# Altium PCB GN-1846-E-V2.PcbDoc (part 5 of 8)
Units mil, origin at the board's own origin, x right, y up, seen from the top; angles counter-clockwise.
Board outline 3750.16 x 2671.81 mil, 4 copper layers (TOP, GND, POWER, BOTTOM), stack 40.359 mil thick; 456 components, 457 nets, 2346 pads, 1495 vias.
Unrouted connection lines stored in the file: 4.
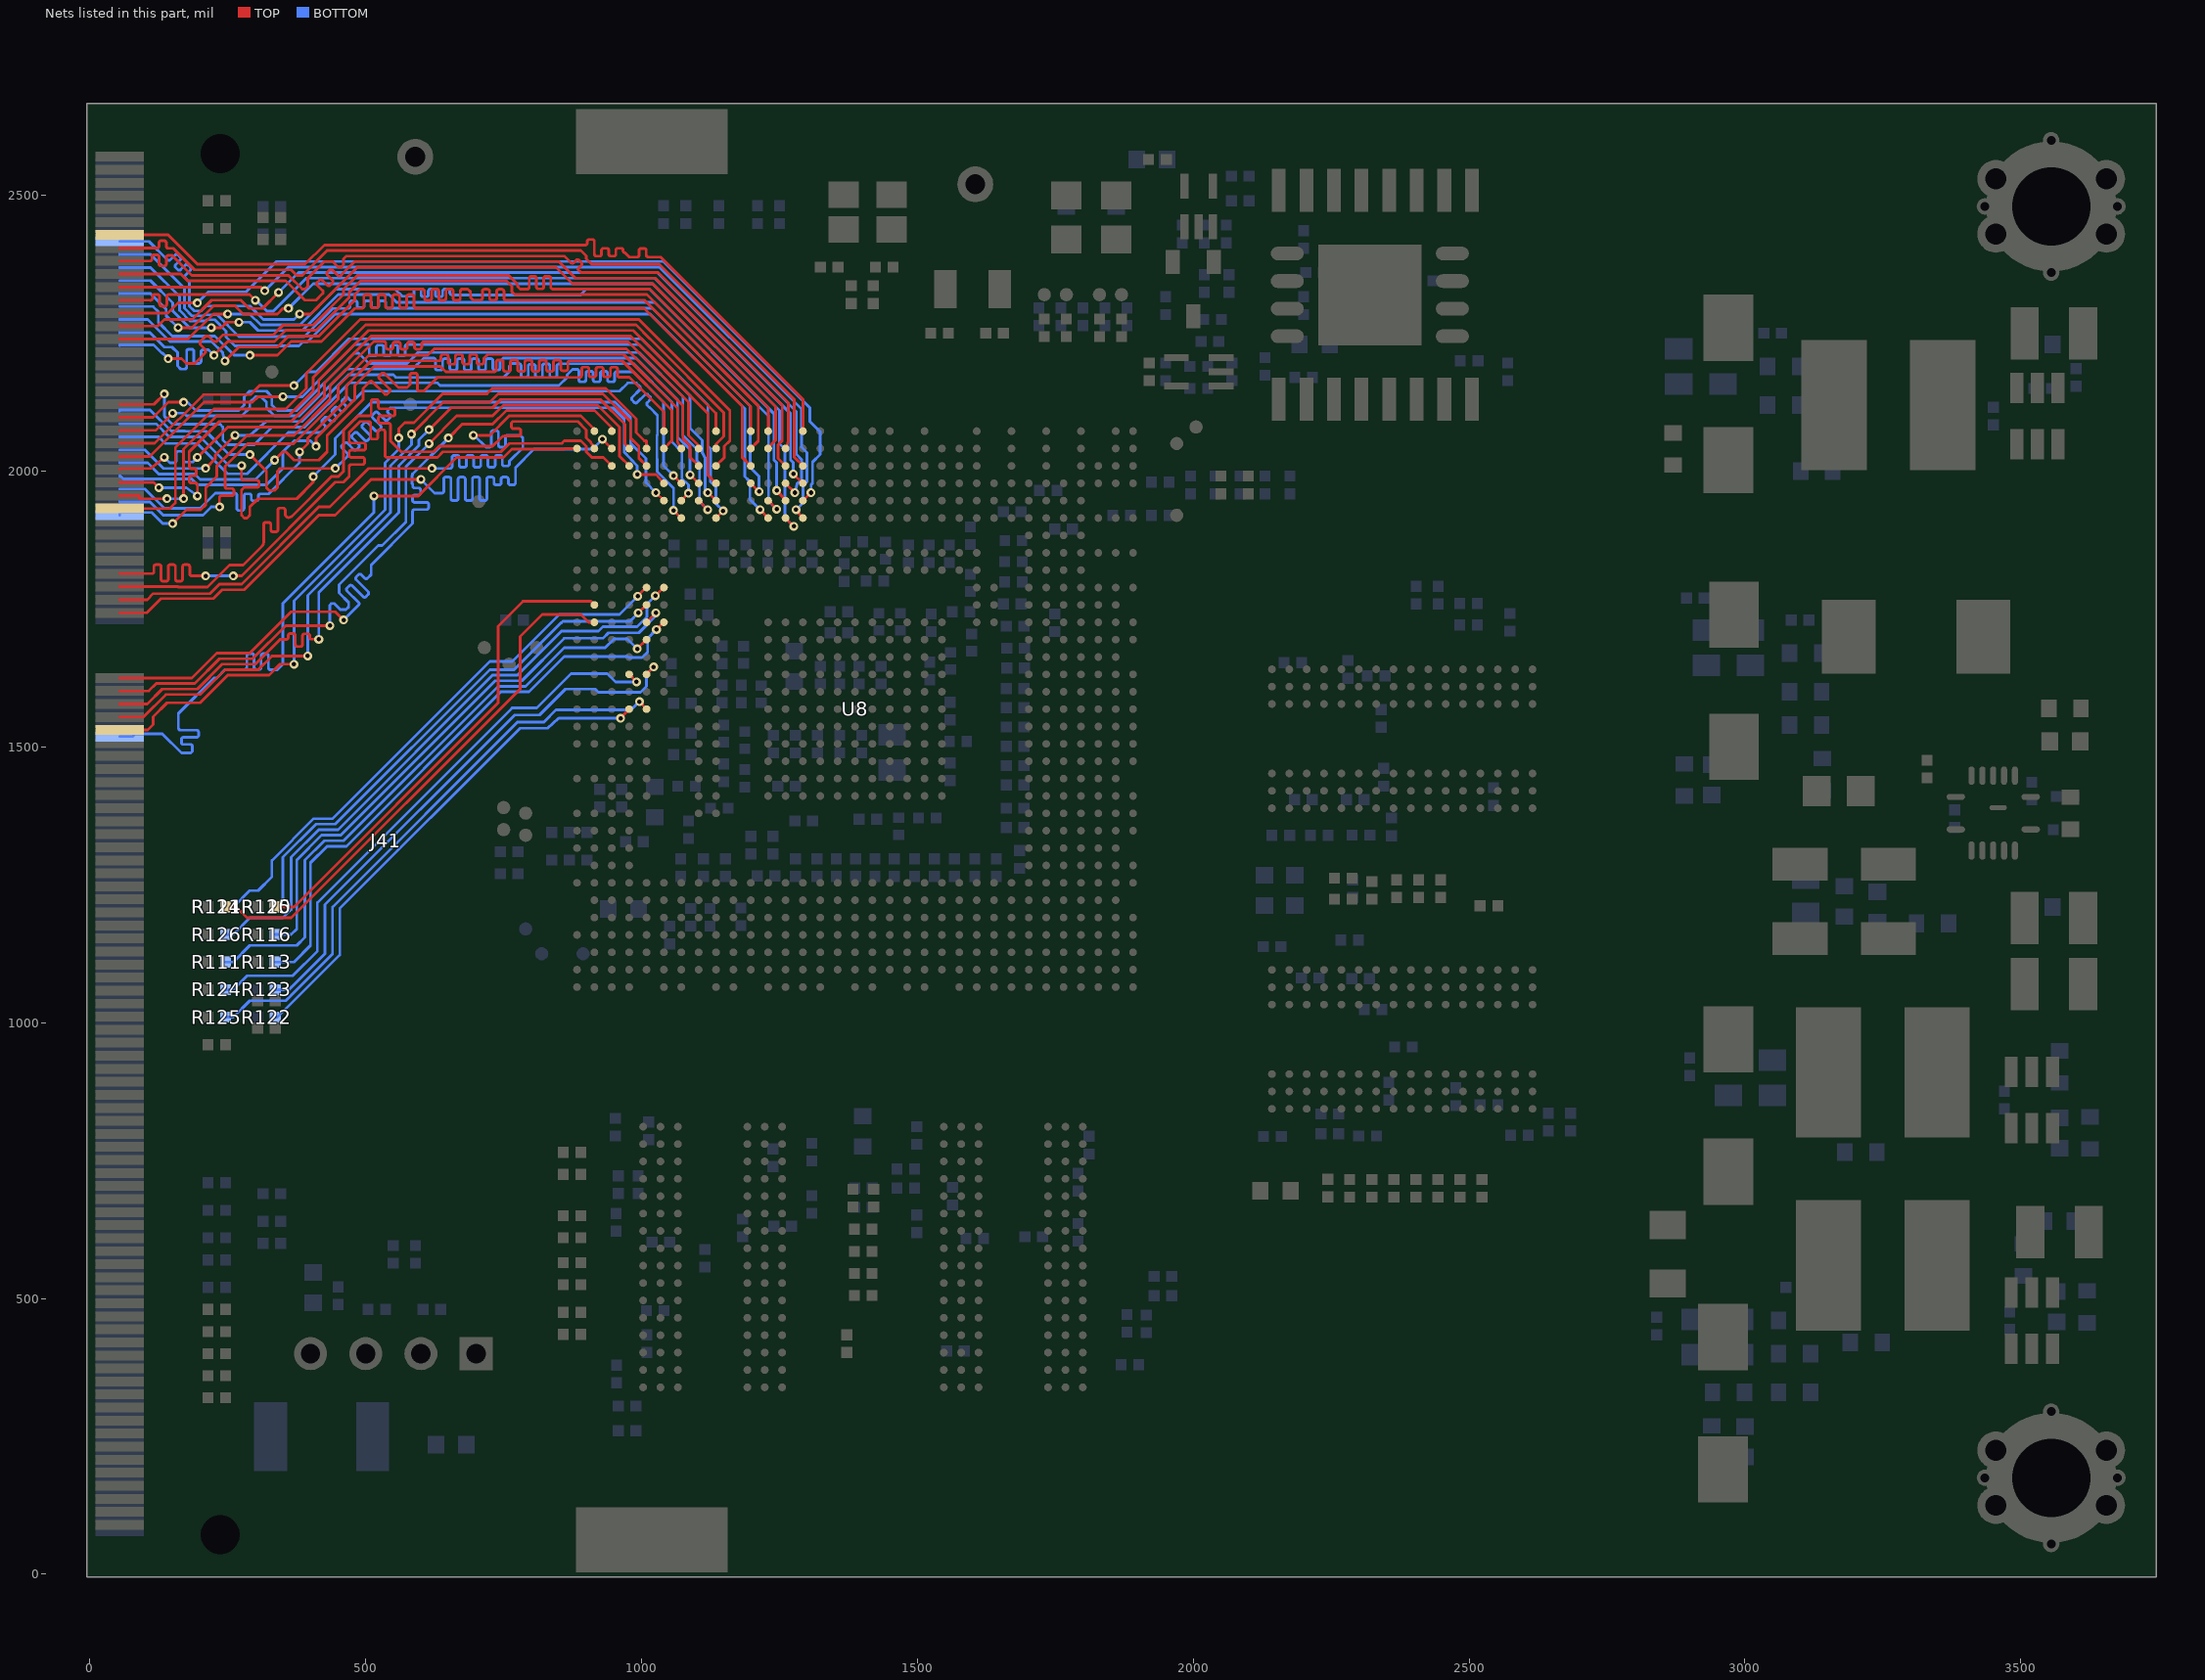
[diagram p7: the nets of this part, all layers, seen from the top]

## Via types
v1: diameter 18, hole 8, TOP to BOTTOM, 763 vias
v2: diameter 20, hole 10, TOP to BOTTOM, 451 vias
v3: diameter 16, hole 8, TOP to BOTTOM, 281 vias

## Nets (pads, with @x,y where several pads share a name; then routed paths per layer and width w, separated by ;. In a path a pad name is that pad's centre, name@x,y a point inside that pad or via, vN(x,y) a via of type N, cw(c..) or ccw(c..) an arc to the next point about the centre after c; other vN are vias at no path point) (continued)
G1_A1_656_CLK: J41.82 U8.A32 | length 1401.7
  TOP w5: v3(515,1955) 595,1955 665,2025 750,2025 765,2040 860,2040 860.99,2040.99 U8.A32@883.01,2040.99
  BOTTOM w5: J41.82@54,1518.82 77.22,1518.82 82.22,1523.82 131.18,1523.82 166,1489 183,1489 186,1492 186,1500.75 ccw(c182.25,1500.75) 182.25,1504.5 169.75,1504.5 cw(c169.75,1508.25) 166,1508.25 166,1513.75 cw(c169.75,1513.75) 169.75,1517.5 193.29,1517.5 ccw(c193.29,1521.25) 197.04,1521.25 197.04,1526.75 ccw(c193.29,1526.75) 193.29,1530.5 164.23,1530.5 cw(c164.23,1534.25) 160.48,1534.25 160.48,1560.48 225,1625 230,1625 245.51,1640.51 280.75,1640.51 ccw(c280.75,1644.26) 284.5,1644.26 284.5,1665.28 cw(c288.25,1665.28) 288.25,1669.03 293.75,1669.03 cw(c293.75,1665.28) 297.5,1665.28 297.5,1644.26 ccw(c301.25,1644.26) 301.25,1640.51 306.75,1640.51 ccw(c306.75,1644.26) 310.5,1644.26 310.5,1665.28 cw(c314.25,1665.28) 314.25,1669.03 319.75,1669.03 cw(c319.75,1665.28) 323.5,1665.28 323.5,1643.75 ccw(c327.25,1643.75) 327.25,1640 340,1640 350,1650 350,1760 515,1925 v3(515,1955)
G1_A1_I2C_CLK: R122.1 U8.D17 | length 921.9
  TOP w5: v3(962,1552) U8.D17@977.5,1568.55
  BOTTOM w5: R122.1@336,1010 340,1010 453,1123 453,1207 780,1534 830,1534 849.45,1551.5 849.94,1552 v3(962,1552)
G1_A1_I2C_SDA: R125.1 U8.E17 | length 1055.6
  TOP w5: v3(996,1582) 1009,1569 U8.E17@1009,1568.55
  BOTTOM w5: R125.1@246,1010 260,1010 290,1040 355,1040 440,1125 440,1210 775,1545 823,1545 845,1567 981,1567 v3(996,1582)
G1_A2_656_0: U8.C31 | length 1421.3
  TOP w5: 54,1814.09 112.34,1814.09 ccw(c112.34,1817.84) 116.09,1817.84 116.09,1826.72 cw(c119.84,1826.72) 119.84,1830.47 125.34,1830.47 cw(c125.34,1826.72) 129.09,1826.72 129.09,1804.22 ccw(c132.84,1804.22) 132.84,1800.47 138.34,1800.47 ccw(c138.34,1804.22) 142.09,1804.22 142.09,1826.72 cw(c145.84,1826.72) 145.84,1830.47 151.34,1830.47 cw(c151.34,1826.72) 155.09,1826.72 155.09,1804.22 ccw(c158.84,1804.22) 158.84,1800.47 164.34,1800.47 ccw(c164.34,1804.22) 168.09,1804.22 168.09,1826.72 cw(c171.84,1826.72) 171.84,1830.47 177.34,1830.47 cw(c177.34,1826.72) 181.09,1826.72 181.09,1813.75 ccw(c184.84,1813.75) 184.84,1810 v3(210,1810) ; v3(260,1810) 275,1810 445,1980 460,1980 470,1990 470,2008.25 cw(c473.75,2008.25) 473.75,2012 494.11,2012 ccw(c494.11,2015.75) 497.86,2015.75 497.86,2021.25 ccw(c494.11,2021.25) 494.11,2025 473.75,2025 cw(c473.75,2028.75) 470,2028.75 470,2034.25 cw(c473.75,2034.25) 473.75,2038 496.06,2038 ccw(c496.06,2041.75) 499.81,2041.75 499.81,2047.25 ccw(c496.06,2047.25) 496.06,2051 473.75,2051 cw(c473.75,2054.75) 470,2054.75 470,2070 490,2090 505.25,2090 cw(c505.25,2086.25) 509,2086.25 509,2061.75 ccw(c512.75,2061.75) 512.75,2058 518.25,2058 ccw(c518.25,2061.75) 522,2061.75 522,2071.25 cw(c525.75,2071.25) 525.75,2075 531.25,2075 cw(c531.25,2071.25) 535,2071.25 535,2028.75 ccw(c538.75,2028.75) 538.75,2025 630,2025 640,2035 745,2035 760,2050 855,2050 860,2055 890,2055 900,2045 900,2035 910,2025 930.5,2025 U8.C31@946.01,2009.49
  BOTTOM w5: v3(210,1810) v3(260,1810)
G1_A2_656_1: U8.B32 | length 1372.4
  TOP w5: 54,1790.47 159.53,1790.47 160,1790 213.18,1790 253.18,1830 278.18,1830 312.35,1864.17 ccw(c305.95,1870.57) 315,1870.57 315,1903.39 cw(c318.75,1903.39) 318.75,1907.14 324.25,1907.14 cw(c324.25,1903.39) 328,1903.39 328,1893.89 ccw(c331.75,1893.89) 331.75,1890.14 337.25,1890.14 ccw(c337.25,1893.89) 341,1893.89 341,1929.39 cw(c344.75,1929.39) 344.75,1933.14 350.25,1933.14 cw(c350.25,1929.39) 354,1929.39 354,1922.37 ccw(c360.4,1922.37) 360.4,1915.97 ccw(c360.4,1925.02) 366.8,1918.62 438.18,1990 450.51,1990 460,1999.49 460,2074.14 485.86,2100 506.25,2100 ccw(c506.25,2103.75) 510,2103.75 510,2126.25 cw(c513.75,2126.25) 513.75,2130 519.25,2130 cw(c519.25,2126.25) 523,2126.25 523,2116.75 ccw(c526.75,2116.75) 526.75,2113 549.25,2113 cw(c549.25,2109.25) 553,2109.25 553,2103.75 cw(c549.25,2103.75) 549.25,2100 526.75,2100 ccw(c526.75,2096.25) 523,2096.25 523,2090.75 ccw(c526.75,2090.75) 526.75,2087 541.25,2087 cw(c541.25,2083.25) 545,2083.25 545,2054.49 564.49,2035 623.18,2035 633.18,2045 730,2045 746.35,2061.35 cw(c752.75,2054.95) 752.75,2064 777.39,2064 ccw(c777.39,2067.75) 781.14,2067.75 781.14,2073.25 ccw(c777.39,2073.25) 777.39,2077 767.89,2077 cw(c767.89,2080.75) 764.14,2080.75 764.14,2086.25 cw(c767.89,2086.25) 767.89,2090 884.59,2090 900,2074.59 900,2060.33 907.49,2052.84 915.21,2041.47 U8.B32@914.51,2040.99
G1_A2_656_2: U8.B33 | length 1430.3
  TOP w5: 54,1766.85 104,1766.85 104,1767 115,1778 218,1778 235,1795 275,1795 415,1935 435,1935 505,2005 v3(620,2005) ; v3(695,2065) 725,2065 760,2100 890,2100 914.67,2075.33 914.67,2072.65 U8.B33@914.51,2072.49
  BOTTOM w5: v3(620,2005) 652.75,2005 ccw(c652.75,2008.75) 656.5,2008.75 656.5,2024.81 cw(c660.25,2024.81) 660.25,2028.56 665.75,2028.56 cw(c665.75,2024.81) 669.5,2024.81 669.5,2010.84 ccw(c673.25,2010.84) 673.25,2007.09 678.75,2007.09 ccw(c678.75,2010.84) 682.5,2010.84 682.5,2024.81 cw(c686.25,2024.81) 686.25,2028.56 691.75,2028.56 cw(c691.75,2024.81) 695.5,2024.81 695.5,2010.84 ccw(c699.25,2010.84) 699.25,2007.09 704.75,2007.09 ccw(c704.75,2010.84) 708.5,2010.84 708.5,2024.81 cw(c712.25,2024.81) 712.25,2028.56 717.75,2028.56 cw(c717.75,2024.81) 721.5,2024.81 721.5,2010.84 ccw(c725.25,2010.84) 725.25,2007.09 730.75,2007.09 ccw(c730.75,2010.84) 734.5,2010.84 734.5,2024.81 cw(c738.25,2024.81) 738.25,2028.56 743.75,2028.56 cw(c743.75,2024.81) 747.5,2024.81 747.5,2013.2 ccw(c751.25,2013.2) 751.25,2009.45 756.75,2009.45 ccw(c756.75,2013.2) 760.5,2013.2 760.5,2018.27 785,2042.77 785,2060 780,2065 757.25,2065 ccw(c757.25,2061.25) 753.5,2061.25 753.5,2047.24 cw(c749.75,2047.24) 749.75,2043.49 744.25,2043.49 cw(c744.25,2047.24) 740.5,2047.24 740.5,2069.77 ccw(c736.75,2069.77) 736.75,2073.52 731.25,2073.52 ccw(c731.25,2069.77) 727.5,2069.77 727.5,2047.24 cw(c723.75,2047.24) 723.75,2043.49 718.25,2043.49 696.74,2065 v3(695,2065)
G1_A2_656_3: U8.C32 | length 1355.9
  TOP w5: 54,1743.23 103,1743.23 128.77,1769 224,1769 240,1785 280,1785 415,1920 445,1920 510,1985 v3(600,1985) ; v3(929,2058) 930,2058 930,2057 U8.C32@946.01,2040.99
  BOTTOM w5: v3(600,1985) 625,1960 637.75,1960 ccw(c637.75,1963.75) 641.5,1963.75 641.5,1985.43 cw(c645.25,1985.43) 645.25,1989.18 650.75,1989.18 cw(c650.75,1985.43) 654.5,1985.43 654.5,1950.34 ccw(c658.25,1950.34) 658.25,1946.59 663.75,1946.59 ccw(c663.75,1950.34) 667.5,1950.34 667.5,1985.43 cw(c671.25,1985.43) 671.25,1989.18 676.75,1989.18 cw(c676.75,1985.43) 680.5,1985.43 680.5,1950.34 ccw(c684.25,1950.34) 684.25,1946.59 689.75,1946.59 ccw(c689.75,1950.34) 693.5,1950.34 693.5,1985.43 cw(c697.25,1985.43) 697.25,1989.18 702.75,1989.18 cw(c702.75,1985.43) 706.5,1985.43 706.5,1950.34 ccw(c710.25,1950.34) 710.25,1946.59 715.75,1946.59 ccw(c715.75,1950.34) 719.5,1950.34 719.5,1985.43 cw(c723.25,1985.43) 723.25,1989.18 728.75,1989.18 cw(c728.75,1985.43) 732.5,1985.43 732.5,1978.86 ccw(c736.25,1978.86) 736.25,1975.11 741.75,1975.11 ccw(c741.75,1978.86) 745.5,1978.86 745.5,1985.43 cw(c749.25,1985.43) 749.25,1989.18 754.75,1989.18 cw(c754.75,1985.43) 758.5,1985.43 758.5,1978.86 ccw(c762.25,1978.86) 762.25,1975.11 767.75,1975.11 ccw(c767.75,1978.86) 771.5,1978.86 771.5,2006.5 805,2040 911,2040 v3(929,2058)
G1_A2_656_4: U8.C33 | length 1384.7
  TOP w5: 54,1625.12 185.12,1625.12 230,1670 290,1670 365,1745 445,1745 v3(460,1730) ; v3(650,2060) 675,2085 730,2085 755,2110 915,2110 946.01,2078.99 U8.C33@946.01,2072.49
  BOTTOM w5: v3(460,1730) 486.94,1756.94 ccw(c484.29,1759.6) 488.04,1759.6 ccw(c484.29,1759.6) 486.94,1762.25 466.31,1782.88 cw(c468.96,1785.53) 465.21,1785.53 cw(c468.96,1785.53) 466.31,1788.18 470.2,1792.07 cw(c472.85,1789.42) 475.51,1792.07 495.14,1772.44 ccw(c497.79,1775.09) 500.44,1772.44 504.33,1776.33 ccw(c501.68,1778.98) 505.43,1778.98 ccw(c501.68,1778.98) 504.33,1781.63 483.01,1802.95 cw(c485.66,1805.61) 481.91,1805.61 cw(c485.66,1805.61) 483.01,1808.26 486.9,1812.15 cw(c489.55,1809.5) 492.2,1812.15 498.26,1806.08 ccw(c500.92,1808.73) 503.57,1806.08 510,1812.51 510,1830 585,1905 585,1926.75 cw(c588.75,1926.75) 588.75,1930.5 610.17,1930.5 ccw(c610.17,1934.25) 613.92,1934.25 613.92,1939.75 ccw(c610.17,1939.75) 610.17,1943.5 588.62,1943.5 cw(c588.62,1947.25) 584.87,1947.25 584.87,1952.75 cw(c588.62,1952.75) 588.62,1956.5 595.71,1956.5 ccw(c595.71,1960.25) 599.46,1960.25 599.46,1965.75 ccw(c595.71,1965.75) 595.71,1969.5 588.9,1969.5 cw(c588.9,1973.25) 585.15,1973.25 585.15,1976 584.15,1977 584.15,1992.15 585,1993 585,1995 v3(650,2060)
G1_A2_656_5: U8.D31 | length 1352.1
  TOP w5: 54,1601.5 107,1601.5 120.5,1615 190,1615 235,1660 295,1660 355,1720 v3(435,1720) ; v3(615,2050) 665,2100 730,2100 750,2120 920,2120 960,2080 960,2026.99 U8.D31@977.5,2009.49
  BOTTOM w5: v3(435,1720) 435,1757 438,1760 443,1760 454,1749 464,1749 469,1754 469,1762 452,1779 452,1794 523,1865 530,1865 573,1908 573,1927.77 572.77,1928 572.77,2007.77 v3(615,2050)
G1_A2_656_6: U8.D32 | length 1370.9
  TOP w5: 54,1577.87 104,1577.87 131.13,1605 195,1605 240,1650 300,1650 345,1695 355.75,1695 ccw(c355.75,1698.75) 359.5,1698.75 359.5,1701.8 cw(c363.25,1701.8) 363.25,1705.55 368.75,1705.55 cw(c368.75,1701.8) 372.5,1701.8 372.5,1685.77 ccw(c376.25,1685.77) 376.25,1682.02 381.75,1682.02 ccw(c381.75,1685.77) 385.5,1685.77 385.5,1701.37 cw(c389.25,1701.37) 389.25,1705.12 394.75,1705.12 cw(c394.75,1701.37) 398.5,1701.37 398.5,1698.95 ccw(c402.25,1698.95) 402.25,1695.2 414.8,1695.2 v3(415,1695) ; v3(615,2075) 655,2115 730,2115 745,2130 925,2130 970,2085 970,2049.83 978.25,2041.59 U8.D32@977.5,2040.99
  BOTTOM w5: v3(415,1695) 415,1780 560,1925 560,2010 596.5,2046.5 596.5,2056.5 v3(615,2075)
G1_A2_656_7: U8.E31 | length 1407.2
  TOP w5: 54,1554.25 97,1554.25 137.75,1595 200,1595 245,1640 305,1640 330,1665 v3(395,1665) ; v3(583,2067) 641,2125 725,2125 740,2140 930,2140 980,2090 980,2060 995,2045 995,2023.49 U8.E31@1009,2009.49
  BOTTOM w5: v3(395,1665) 395,1775 545,1925 545,2010 583,2048 v3(583,2067)
G1_A2_656_CLK: J41.81 U8.E32 | length 1426.8
  TOP w5: J41.81@54,1530.63 105,1530.63 115,1540.63 115,1555 140,1580 200,1580 250,1630 325,1630 345,1650 v3(370,1650) ; v3(560,2060) 560,2077 570.75,2087.75 587.25,2087.75 639.49,2140 720,2140 730,2150 935,2150 990,2095 990,2070 1005,2055 1009,2055 U8.E32@1009,2040.99
  BOTTOM w5: v3(370,1650) 370,1765 535,1930 535,2015 560,2040 v3(560,2060)
G1_A2_I2C_CLK: R121.1 U8.B22 | length 966
  TOP w5: R121.1@246,1210 265,1210 285,1190 365,1190 780,1605 780,1700 820,1740 890,1740 903.97,1726.03 U8.B22@914.51,1726.03
G1_A2_I2C_SDA: R120.1 U8.B23 | length 892.1
  TOP w5: R120.1@336,1210 370,1210 740,1580 740,1719 785,1764 908.04,1764 U8.B23@914.51,1757.53
G2_A1_656_0: U8.F30 | length 1437.6
  TOP w5: v3(290,2030) 320,2000 320,1970 325,1965 335,1965 340,1970 340,2000 345,2005 v3(445,2005) ; v3(992,1994) 1026.49,1994 U8.F30@1040.49,1978
  BOTTOM w5: 54,2109.37 54,2111.01 108.99,2111.01 147.32,2072.68 172.32,2072.68 172.57,2072.43 210,2072.43 252.43,2030 v3(290,2030) ; v3(445,2005) 466.94,2026.94 ccw(c464.29,2029.6) 468.04,2029.6 ccw(c464.29,2029.6) 466.94,2032.25 457.42,2041.77 cw(c460.08,2044.42) 456.33,2044.42 cw(c460.08,2044.42) 457.42,2047.07 461.31,2050.96 cw(c463.96,2048.31) 466.62,2050.96 478.31,2039.27 ccw(c480.96,2041.92) 483.61,2039.27 487.5,2043.16 ccw(c484.85,2045.81) 488.6,2045.81 ccw(c484.85,2045.81) 487.5,2048.46 475.81,2060.15 cw(c478.46,2062.8) 474.71,2062.8 cw(c478.46,2062.8) 475.81,2065.45 479.7,2069.35 cw(c482.35,2066.69) 485,2069.35 498.37,2055.97 ; 498.38,2055.97 ccw(c501.03,2058.62) 503.68,2055.97 507.57,2059.86 ccw(c504.92,2062.51) 508.67,2062.51 ccw(c504.92,2062.51) 507.57,2065.16 494.19,2078.54 cw(c496.85,2081.19) 493.1,2081.19 cw(c496.85,2081.19) 494.19,2083.84 498.08,2087.73 cw(c500.73,2085.08) 503.39,2087.73 517.8,2073.31 ccw(c520.45,2075.97) 523.1,2073.31 526.99,2077.2 ccw(c524.34,2079.86) 528.09,2079.86 ccw(c524.34,2079.86) 527,2082.51 512.58,2096.92 cw(c515.23,2099.57) 511.48,2099.57 cw(c515.23,2099.57) 512.58,2102.22 516.47,2106.11 ; 516.47,2106.12 cw(c519.12,2103.46) 521.77,2106.11 534.78,2093.11 ccw(c537.43,2095.76) 540.08,2093.11 543.97,2097 ccw(c541.32,2099.65) 545.07,2099.65 ccw(c541.32,2099.65) 543.97,2102.3 540.82,2105.45 cw(c543.47,2108.1) 539.72,2108.1 cw(c543.47,2108.1) 540.82,2110.76 545.06,2115 948,2115 968.5,2094.5 968.5,2034.5 992,2010 v3(992,1994)
G2_A1_656_1: U8.F29 | length 1411.2
  TOP w5: v3(275,2010) 275,1987.25 ccw(c278.75,1987.25) 278.75,1983.5 302.89,1983.5 cw(c302.89,1979.75) 306.64,1979.75 306.64,1974.25 cw(c302.89,1974.25) 302.89,1970.5 279.54,1970.5 275,1965.96 275,1920 280,1915 285,1915 290,1920 290,1935 305,1950 375,1950 405,1980 v3(405,1990) ; v3(1026,1961) U8.F29@1040.49,1946.5
  BOTTOM w5: 54,2085.75 120,2085.75 143.6,2062.14 200,2062.14 252.14,2010 v3(275,2010) ; v3(405,1990) 445,2030 445,2059.14 510.86,2125 952.14,2125 980.06,2097.08 980.06,2050.62 1007.69,2022.99 1007.69,1979.31 v3(1026,1961)
G2_A1_656_2: U8.G28 | length 1435.7
  TOP w5: v3(1058,1929) U8.G28@1071.99,1915.01
  BOTTOM w5: 54,2062.13 125,2062.13 137.13,2050 195,2050 249.75,1995.25 285,1995.25 359.75,2070 418.59,2070 426.08,2077.5 ccw(c423.43,2080.15) 427.18,2080.15 ccw(c423.43,2080.15) 426.09,2082.8 421.5,2087.39 cw(c424.15,2090.04) 420.4,2090.04 cw(c424.15,2090.04) 421.5,2092.69 425.39,2096.58 cw(c428.04,2093.93) 430.69,2096.58 436.21,2091.06 ccw(c438.86,2093.71) 441.51,2091.06 445.4,2094.95 ccw(c442.75,2097.6) 446.5,2097.6 ccw(c442.75,2097.6) 445.4,2100.25 439.88,2105.77 cw(c442.53,2108.42) 438.78,2108.42 cw(c442.53,2108.42) 439.88,2111.07 443.77,2114.96 cw(c446.42,2112.31) 449.08,2114.96 454.59,2109.45 ccw(c457.24,2112.1) 459.89,2109.45 463.78,2113.34 ccw(c461.13,2115.99) 464.88,2115.99 ccw(c461.13,2115.99) 463.78,2118.64 458.27,2124.15 cw(c460.92,2126.81) 457.17,2126.81 cw(c460.92,2126.81) 458.27,2129.46 462.16,2133.35 cw(c464.81,2130.7) 467.46,2133.35 472.75,2128.06 ccw(c475.4,2130.71) 478.05,2128.05 495,2145 960,2145 975,2160 990,2160 996.94,2153.06 cw(c994.29,2150.4) 998.04,2150.4 cw(c994.29,2150.4) 996.94,2147.75 983.02,2133.82 ccw(c985.67,2131.17) 981.92,2131.17 ccw(c985.67,2131.17) 983.02,2128.52 986.91,2124.63 ccw(c989.56,2127.28) 992.21,2124.63 1006.18,2138.61 cw(c1008.84,2135.96) 1011.49,2138.61 1015.38,2134.72 cw(c1012.73,2132.07) 1016.48,2132.07 cw(c1012.73,2132.07) 1015.38,2129.42 1010.42,2124.46 ccw(c1013.07,2121.81) 1009.32,2121.81 ccw(c1013.07,2121.81) 1010.42,2119.16 1014.31,2115.26 1014.95,2115.26 1028.75,2101.46 1028.75,2065.75 1028,2065 1028,2022 1028.11,2021.89 1028.11,1999 1058,1969.11 v3(1058,1929)
G2_A1_656_3: U8.G29 | length 1462.8
  TOP w5: v3(210,2005) 227.53,2022.53 227.53,2029.53 v3(263,2065) ; U8.G29@1071.99,1946.5 1071.99,1946.99 v3(1085,1960)
  BOTTOM w5: 54,2038.5 100,2038.5 133.5,2005 v3(210,2005) ; v3(263,2065) 290,2065 320,2090 384.14,2090 469.14,2175 550,2175 555,2170 750,2170 760,2180 760,2190 765,2195 777.75,2195 cw(c777.75,2191.25) 781.5,2191.25 781.5,2173.63 ccw(c785.25,2173.63) 785.25,2169.88 790.75,2169.88 ccw(c790.75,2173.63) 794.5,2173.63 794.5,2190.03 cw(c798.25,2190.03) 798.25,2193.78 803.75,2193.78 cw(c803.75,2190.03) 807.5,2190.03 807.5,2173.63 ccw(c811.25,2173.63) 811.25,2169.88 816.75,2169.88 ccw(c816.75,2173.63) 820.5,2173.63 820.5,2190.96 cw(c824.25,2190.96) 824.25,2194.71 829.75,2194.71 cw(c829.75,2190.96) 833.5,2190.96 833.5,2173.63 ccw(c837.25,2173.63) 837.25,2169.88 842.75,2169.88 ccw(c842.75,2173.63) 846.5,2173.63 846.5,2190.29 cw(c850.25,2190.29) 850.25,2194.04 853,2194.04 852.37,2194.67 ; 850,2194.67 852.37,2194.67 ; v3(1085,1960) 1085,1975 1073,1987 1073,2035 1055,2053 1055,2125 985.33,2194.67 852.37,2194.67
G2_A1_656_4: U8.F33 | length 1405.5
  TOP w5: v3(335,2020) 350,2035 355,2035 370,2020 415,2020 430,2035 430,2065 495,2130 495,2150 506.94,2161.94 cw(c509.6,2159.29) 512.25,2161.94 534.19,2140 ccw(c536.84,2142.65) 539.49,2140 543.38,2143.89 ccw(c540.73,2146.54) 544.48,2146.54 ccw(c540.73,2146.54) 543.38,2149.19 524.92,2167.66 cw(c527.57,2170.31) 523.82,2170.31 cw(c527.57,2170.31) 524.92,2172.96 528.81,2176.85 cw(c531.46,2174.2) 534.11,2176.85 559.41,2151.55 575,2151.55 580.5,2157.05 580.5,2173.92 cw(c584.25,2173.92) 584.25,2177.67 589.75,2177.67 cw(c589.75,2173.92) 593.5,2173.92 593.5,2148.75 ccw(c597.25,2148.75) 597.25,2145 605,2145 630,2170 887.75,2170 ccw(c887.75,2173.75) 891.5,2173.75 891.5,2184.91 cw(c895.25,2184.91) 895.25,2188.66 900.75,2188.66 cw(c900.75,2184.91) 904.5,2184.91 904.5,2174.67 ccw(c908.25,2174.67) 908.25,2170.92 913.75,2170.92 ccw(c913.75,2174.67) 917.5,2174.67 917.5,2184.91 cw(c921.25,2184.91) 921.25,2188.66 926.75,2188.66 cw(c926.75,2184.91) 930.5,2184.91 930.5,2174.67 ccw(c934.25,2174.67) 934.25,2170.92 939.75,2170.92 ccw(c939.75,2174.67) 943.5,2174.67 943.5,2184.91 cw(c947.25,2184.91) 947.25,2188.66 952.75,2188.66 cw(c952.75,2184.91) 956.5,2184.91 956.5,2173.86 ccw(c960.25,2173.86) 960.25,2170.11 977.51,2170.11 1040.49,2107.13 U8.F33@1040.49,2072.49